# KiCad board AugioS.kicad_pcb

Outline 319.09 x 76.2 mm; copper layers: Top, Bottom. Coordinates in mm from the lower left corner of the outline.
Outline path: 0,73.82 0,2.38 arc(0.7,0.7) 2.38,0 316.71,0 arc(318.39,0.7) 319.09,2.38 319.09,73.82 arc(318.39,75.5) 316.71,76.2 2.38,76.2 arc(0.7,75.5) 0,73.82

## Placement (name value [footprint] x y rotation side)
D1  D_Small  [Diode-dual]  20.64 66.68 270 bottom
D2  D_Small  [Diode-dual]  55.56 66.68 270 bottom
D3  D_Small  [Diode-dual]  101.6 66.68 270 bottom
D4  D_Small  [Diode-dual]  139.7 66.68 270 bottom
D5  D_Small  [Diode-dual]  177.8 66.68 270 bottom
D6  D_Small  [Diode-dual]  215.9 66.68 270 bottom
D7  D_Small  [Diode-dual]  254 66.68 270 bottom
D8  D_Small  [Diode-dual]  296.86 66.68 270 bottom
D9  D_Small  [Diode-dual]  17.46 66.68 270 bottom
D10  D_Small  [Diode-dual]  39.69 66.68 270 bottom
D11  D_Small  [Diode-dual]  82.55 66.68 270 bottom
D12  D_Small  [Diode-dual]  120.65 66.68 270 bottom
D13  D_Small  [Diode-dual]  158.75 66.68 270 bottom
D14  D_Small  [Diode-dual]  196.85 66.68 270 bottom
D15  D_Small  [Diode-dual]  234.95 66.68 270 bottom
D16  D_Small  [Diode-dual]  273.05 66.68 270 bottom
D17  D_Small  [Diode-dual]  20.64 47.63 270 bottom
D18  D_Small  [Diode-dual]  55.56 47.63 270 bottom
D19  D_Small  [Diode-dual]  106.36 47.63 270 bottom
D20  D_Small  [Diode-dual]  144.46 47.63 270 bottom
D21  D_Small  [Diode-dual]  182.56 47.63 270 bottom
D22  D_Small  [Diode-dual]  220.66 47.63 270 bottom
D23  D_Small  [Diode-dual]  258.76 47.63 270 bottom
D24  D_Small  [Diode-dual]  299.24 47.63 270 bottom
D25  D_Small  [Diode-dual]  17.46 47.63 270 bottom
D26  D_Small  [Diode-dual]  39.69 47.63 270 bottom
D27  D_Small  [Diode-dual]  84.93 47.63 270 bottom
D28  D_Small  [Diode-dual]  125.41 47.63 270 bottom
D29  D_Small  [Diode-dual]  163.51 47.63 270 bottom
D30  D_Small  [Diode-dual]  201.61 47.63 270 bottom
D31  D_Small  [Diode-dual]  239.71 47.63 270 bottom
D32  D_Small  [Diode-dual]  277.81 47.63 270 bottom
D33  D_Small  [Diode-dual]  20.64 28.58 270 bottom
D34  D_Small  [Diode-dual]  58.74 28.58 270 bottom
D35  D_Small  [Diode-dual]  111.12 28.58 270 bottom
D36  D_Small  [Diode-dual]  149.22 28.58 270 bottom
D37  D_Small  [Diode-dual]  187.33 28.58 270 bottom
D38  D_Small  [Diode-dual]  225.43 28.58 270 bottom
D39  D_Small  [Diode-dual]  263.52 28.58 270 bottom
D40  D_Small  [Diode-dual]  301.62 28.58 270 bottom
D41  D_Small  [Diode-dual]  17.46 28.58 270 bottom
D42  D_Small  [Diode-dual]  39.69 28.58 270 bottom
D43  D_Small  [Diode-dual]  87.31 28.58 270 bottom
D44  D_Small  [Diode-dual]  130.18 28.58 270 bottom
D45  D_Small  [Diode-dual]  168.28 28.58 270 bottom
D46  D_Small  [Diode-dual]  206.38 28.58 270 bottom
D47  D_Small  [Diode-dual]  244.48 28.58 270 bottom
D48  D_Small  [Diode-dual]  282.57 28.58 270 bottom
D49  D_Small  [Diode-dual]  20.64 9.53 270 bottom
D50  D_Small  [Diode-dual]  58.74 9.53 270 bottom
D51  D_Small  [Diode-dual]  101.6 9.53 270 bottom
D52  D_Small  [Diode-dual]  139.7 9.53 270 bottom
D53  D_Small  [Diode-dual]  223.04 9.53 270 bottom
D54  D_Small  [Diode-dual]  263.52 9.53 270 bottom
D55  D_Small  [Diode-dual]  301.62 9.53 270 bottom
D56  D_Small  [Diode-dual]  17.46 9.53 270 bottom
D57  D_Small  [Diode-dual]  39.69 9.53 270 bottom
D58  D_Small  [Diode-dual]  82.55 9.53 270 bottom
D59  D_Small  [Diode-dual]  120.65 9.53 270 bottom
D60  D_Small  [Diode-dual]  161.13 9.53 270 bottom
D61  D_Small  [Diode-dual]  192.09 9.53 270 bottom
D62  D_Small  [Diode-dual]  244.48 9.53 270 bottom
D63  D_Small  [Diode-dual]  282.57 9.53 270 bottom
G***  -  [LOGO]  176.21 57.15 0 top
G***#2  -  [LOGO]  176.21 57.15 180 bottom
LOGO  -  [augie10]  234.16 57.94 0 top
LOGO#2  -  [augie10]  307.18 57.94 180 bottom
REF**  -  [MountingHole_3.2mm_M3]  300.04 57.15 0 top
REF**#2  -  [MountingHole_3.2mm_M3]  300.04 19.05 0 top
REF**#3  -  [MountingHole_3.2mm_M3]  223.84 19.05 0 top
REF**#4  -  [MountingHole_3.2mm_M3]  223.84 57.15 0 top
REF**#5  -  [MountingHole_3.2mm_M3]  19.05 19.05 0 top
REF**#6  -  [MountingHole_3.2mm_M3]  19.05 57.15 0 top
REF**#7  -  [MountingHole_3.2mm_M3]  95.25 57.15 0 top
REF**#8  -  [MountingHole_3.2mm_M3]  95.25 19.05 0 top
SW1  SWITCH_PUSH  [MX-1U-NoLED]  9.53 66.68 0 top
SW2  SWITCH_PUSH  [MX-1U-NoLED]  28.57 66.68 0 top
SW3  SWITCH_PUSH  [MX-1U-NoLED]  47.62 66.68 0 top
SW4  SWITCH_PUSH  [MX-1U-NoLED]  66.67 66.68 0 top
SW5  SWITCH_PUSH  [MX-1U-NoLED]  90.49 66.68 0 top
SW6  SWITCH_PUSH  [MX-1U-NoLED]  109.54 66.68 0 top
SW7  SWITCH_PUSH  [MX-1U-NoLED]  128.59 66.68 0 top
SW8  SWITCH_PUSH  [MX-1U-NoLED]  147.64 66.68 0 top
SW9  SWITCH_PUSH  [MX-1U-NoLED]  166.69 66.68 0 top
SW10  SWITCH_PUSH  [MX-1U-NoLED]  185.74 66.68 0 top
SW11  SWITCH_PUSH  [MX-1U-NoLED]  204.79 66.68 0 top
SW12  SWITCH_PUSH  [MX-1U-NoLED]  223.84 66.68 0 top
SW13  SWITCH_PUSH  [MX-1U-NoLED]  242.89 66.68 0 top
SW14  SWITCH_PUSH  [MX-1U-NoLED]  261.94 66.68 0 top
SW15  SWITCH_PUSH  [MX-1U-NoLED]  280.99 66.68 0 top
SW16  SWITCH_PUSH  [MX-1U-NoLED]  304.8 66.68 0 top
SW17  SWITCH_PUSH  [MX-1U-NoLED]  9.53 47.63 0 top
SW18  SWITCH_PUSH  [MX-1U-NoLED]  28.57 47.63 0 top
SW19  SWITCH_PUSH  [MX-1U-NoLED]  47.62 47.63 0 top
SW20  SWITCH_PUSH  [MX-1U-NoLED]  66.67 47.63 0 top
SW21  SWITCH_PUSH  [MX-1U-NoLED]  92.87 47.63 0 top
SW22  SWITCH_PUSH  [MX-1U-NoLED]  114.3 47.63 0 top
SW23  SWITCH_PUSH  [MX-1U-NoLED]  133.35 47.63 0 top
SW24  SWITCH_PUSH  [MX-1U-NoLED]  152.4 47.63 0 top
SW25  SWITCH_PUSH  [MX-1U-NoLED]  171.45 47.63 0 top
SW26  SWITCH_PUSH  [MX-1U-NoLED]  190.5 47.63 0 top
SW27  SWITCH_PUSH  [MX-1U-NoLED]  209.55 47.63 0 top
SW28  SWITCH_PUSH  [MX-1U-NoLED]  228.6 47.63 0 top
SW29  SWITCH_PUSH  [MX-1U-NoLED]  247.65 47.63 0 top
SW30  SWITCH_PUSH  [MX-1U-NoLED]  266.7 47.63 0 top
SW31  SWITCH_PUSH  [MX-1U-NoLED]  285.75 47.63 0 top
SW32  SWITCH_PUSH  [MX-1U-NoLED]  307.18 47.63 0 top
SW33  SWITCH_PUSH  [MX-1U-NoLED]  9.53 28.58 0 top
SW34  SWITCH_PUSH  [MX-1U-NoLED]  28.57 28.58 0 top
SW35  SWITCH_PUSH  [MX-1U-NoLED]  47.62 28.58 0 top
SW36  SWITCH_PUSH  [MX-1U-NoLED]  66.67 28.58 0 top
SW37  SWITCH_PUSH  [MX-1U-NoLED]  95.25 28.58 0 top
SW38  SWITCH_PUSH  [MX-1U-NoLED]  119.06 28.58 0 top
SW39  SWITCH_PUSH  [MX-1U-NoLED]  138.11 28.58 0 top
SW40  SWITCH_PUSH  [MX-1U-NoLED]  157.16 28.58 0 top
SW41  SWITCH_PUSH  [MX-1U-NoLED]  176.21 28.58 0 top
SW42  SWITCH_PUSH  [MX-1U-NoLED]  195.26 28.58 0 top
SW43  SWITCH_PUSH  [MX-1U-NoLED]  214.31 28.58 0 top
SW44  SWITCH_PUSH  [MX-1U-NoLED]  233.36 28.58 0 top
SW45  SWITCH_PUSH  [MX-1U-NoLED]  252.41 28.58 0 top
SW46  SWITCH_PUSH  [MX-1U-NoLED]  271.46 28.58 0 top
SW47  SWITCH_PUSH  [MX-1U-NoLED]  290.51 28.58 0 top
SW48  SWITCH_PUSH  [MX-1U-NoLED]  309.56 28.58 0 top
SW49  SWITCH_PUSH  [MX-1U-NoLED]  9.53 9.53 0 top
SW50  SWITCH_PUSH  [MX-1U-NoLED]  28.57 9.53 0 top
SW51  SWITCH_PUSH  [MX-1U-NoLED]  47.62 9.53 0 top
SW52  SWITCH_PUSH  [MX-1U-NoLED]  66.67 9.53 0 top
SW53  SWITCH_PUSH  [MX-1U-NoLED]  90.49 9.53 0 top
SW54  SWITCH_PUSH  [MX-1U-NoLED]  109.54 9.53 0 top
SW55  SWITCH_PUSH  [MX-1U-NoLED]  128.59 9.53 0 top
SW56  SWITCH_PUSH  [MX-1U-NoLED]  147.64 9.53 0 top
SW57  SWITCH_PUSH  [MX-1U-NoLED]  169.07 9.53 0 top
SW58  SWITCH_PUSH  [MX-2U-ReversedStabilizers-NoLED]  200.03 9.53 0 top
SW59  SWITCH_PUSH  [MX-1U-NoLED]  230.98 9.53 0 top
SW60  SWITCH_PUSH  [MX-1U-NoLED]  252.41 9.53 0 top
SW61  SWITCH_PUSH  [MX-1U-NoLED]  271.46 9.53 0 top
SW62  SWITCH_PUSH  [MX-1U-NoLED]  290.51 9.53 0 top
SW63  SWITCH_PUSH  [MX-1U-NoLED]  309.56 9.53 0 top
U1  -  [ARDUINO_PRO_MICRO]  66.67 59.53 270 top

## Footprints (pads in the part's own frame, mm; a bottom-side part is the same pattern mirrored in y, then rotated)
ARDUINO_PRO_MICRO
  rect 1.753x1.753 hole 1.092: 1(-13.97,-7.62)
  round 1.753 hole 1.092: 2(-11.43,-7.62) 3(-8.89,-7.62) 4(-6.35,-7.62) 5(-3.81,-7.62) 6(-1.27,-7.62) 7(1.27,-7.62) 8(3.81,-7.62) 9(6.35,-7.62) 10(8.89,-7.62) 11(11.43,-7.62) 12(13.97,-7.62) 13(13.97,7.62) 14(11.43,7.62) 15(8.89,7.62) 16(6.35,7.62) 17(3.81,7.62) 18(1.27,7.62) 19(-1.27,7.62) 20(-3.81,7.62) 21(-6.35,7.62) 22(-8.89,7.62) 23(-11.43,7.62) 24(-13.97,7.62)
Diode-dual
  rect 1.6x1.2 smd far side: 1(1.4,0) 2(-1.4,0)
  rect 1.6x1.2 smd: 1(1.4,0) 2(-1.4,0)
  rect 2.9x0.5 smd far side: 1(2.5,0) 2(-2.5,0)
  rect 2.9x0.5 smd: 1(2.5,0) 2(-2.5,0)
  rect 1.6x1.6 hole 1: 1(3.9,0)
  round 1.6 hole 1: 2(-3.9,0)
MountingHole_3.2mm_M3
  round 3.2 hole 3.2 unplated: (0,0)
MX-1U-NoLED
  round 1.75 hole 1.75 unplated: (-5.08,0) (5.08,0)
  round 3.988 hole 3.988 unplated: (0,0)
  oval 4.212x2.25 hole 1.47 rot 48.1: 1(-3.81,2.54)
  round 2.25 hole 1.47: 1(-2.5,4) 2(2.54,5.08)
  oval 2.831x2.25 hole 1.47 rot 86.1: 2(2.5,4.5)
MX-2U-ReversedStabilizers-NoLED
  round 3.988 hole 3.988 unplated: (-11.938,8.255) (0,0) (11.938,8.255)
  round 3.048 hole 3.048 unplated: (-11.938,-6.985) (11.938,-6.985)
  round 1.75 hole 1.75 unplated: (-5.08,0) (5.08,0)
  oval 4.212x2.25 hole 1.47 rot 48.1: 1(-3.81,2.54)
  round 2.25 hole 1.47: 1(-2.5,4) 2(2.54,5.08)
  oval 2.831x2.25 hole 1.47 rot 86.1: 2(2.5,4.5)

## Nets
GND: U1.3 U1.4 U1.23
VCC: U1.21
COL0: SW1.2 SW2.2 SW17.2 SW18.2 SW33.2 SW34.2 SW49.2 SW50.2 U1.12
COL1: SW3.2 SW4.2 SW19.2 SW20.2 SW35.2 SW36.2 SW51.2 SW52.2 U1.11
COL2: SW5.2 SW6.2 SW21.2 SW22.2 SW37.2 SW38.2 SW53.2 SW54.2 U1.10
COL3: SW7.2 SW8.2 SW23.2 SW24.2 SW39.2 SW40.2 SW55.2 SW56.2 U1.9
COL4: SW9.2 SW10.2 SW25.2 SW26.2 SW41.2 SW42.2 SW57.2 U1.8
COL5: SW11.2 SW12.2 SW27.2 SW28.2 SW43.2 SW44.2 SW58.2 SW59.2 U1.7
COL6: SW13.2 SW14.2 SW29.2 SW30.2 SW45.2 SW46.2 SW60.2 SW61.2 U1.6
COL7: SW15.2 SW16.2 SW31.2 SW32.2 SW47.2 SW48.2 SW62.2 SW63.2 U1.5
ROW0: D1.1 D2.1 D3.1 D4.1 D5.1 D6.1 D7.1 D8.1 U1.20
ROW1: D9.1 D10.1 D11.1 D12.1 D13.1 D14.1 D15.1 D16.1 U1.19
ROW2: D17.1 D18.1 D19.1 D20.1 D21.1 D22.1 D23.1 D24.1 U1.18
ROW3: D25.1 D26.1 D27.1 D28.1 D29.1 D30.1 D31.1 D32.1 U1.17
ROW4: D33.1 D34.1 D35.1 D36.1 D37.1 D38.1 D39.1 D40.1 U1.16
ROW5: D41.1 D42.1 D43.1 D44.1 D45.1 D46.1 D47.1 D48.1 U1.15
ROW6: D49.1 D50.1 D51.1 D52.1 D53.1 D54.1 D55.1 U1.14
ROW7: D56.1 D57.1 D58.1 D59.1 D60.1 D61.1 D62.1 D63.1 U1.13
Net-(D1-Pad2): D1.2 SW2.1
Net-(D2-Pad2): D2.2 SW4.1
Net-(D3-Pad2): D3.2 SW6.1
Net-(D4-Pad2): D4.2 SW8.1
Net-(D5-Pad2): D5.2 SW10.1
Net-(D6-Pad2): D6.2 SW12.1
Net-(D7-Pad2): D7.2 SW14.1
Net-(D8-Pad2): D8.2 SW16.1
Net-(D9-Pad2): D9.2 SW1.1
Net-(D10-Pad2): D10.2 SW3.1
Net-(D11-Pad2): D11.2 SW5.1
Net-(D12-Pad2): D12.2 SW7.1
Net-(D13-Pad2): D13.2 SW9.1
Net-(D14-Pad2): D14.2 SW11.1
Net-(D15-Pad2): D15.2 SW13.1
Net-(D16-Pad2): D16.2 SW15.1
Net-(D17-Pad2): D17.2 SW18.1
Net-(D18-Pad2): D18.2 SW20.1
Net-(D19-Pad2): D19.2 SW22.1
Net-(D20-Pad2): D20.2 SW24.1
Net-(D21-Pad2): D21.2 SW26.1
Net-(D22-Pad2): D22.2 SW28.1
Net-(D23-Pad2): D23.2 SW30.1
Net-(D24-Pad2): D24.2 SW32.1
Net-(D25-Pad2): D25.2 SW17.1
Net-(D26-Pad2): D26.2 SW19.1
Net-(D27-Pad2): D27.2 SW21.1
Net-(D28-Pad2): D28.2 SW23.1
Net-(D29-Pad2): D29.2 SW25.1
Net-(D30-Pad2): D30.2 SW27.1
Net-(D31-Pad2): D31.2 SW29.1
Net-(D32-Pad2): D32.2 SW31.1
Net-(D33-Pad2): D33.2 SW34.1
Net-(D34-Pad2): D34.2 SW36.1
Net-(D35-Pad2): D35.2 SW38.1
Net-(D36-Pad2): D36.2 SW40.1
Net-(D37-Pad2): D37.2 SW42.1
Net-(D38-Pad2): D38.2 SW44.1
Net-(D39-Pad2): D39.2 SW46.1
Net-(D40-Pad2): D40.2 SW48.1
Net-(D41-Pad2): D41.2 SW33.1
Net-(D42-Pad2): D42.2 SW35.1
Net-(D43-Pad2): D43.2 SW37.1
Net-(D44-Pad2): D44.2 SW39.1
Net-(D45-Pad2): D45.2 SW41.1
Net-(D46-Pad2): D46.2 SW43.1
Net-(D47-Pad2): D47.2 SW45.1
Net-(D48-Pad2): D48.2 SW47.1
Net-(D49-Pad2): D49.2 SW50.1
Net-(D50-Pad2): D50.2 SW52.1
Net-(D51-Pad2): D51.2 SW54.1
Net-(D52-Pad2): D52.2 SW56.1
Net-(D53-Pad2): D53.2 SW59.1
Net-(D54-Pad2): D54.2 SW61.1
Net-(D55-Pad2): D55.2 SW63.1
Net-(D56-Pad2): D56.2 SW49.1
Net-(D57-Pad2): D57.2 SW51.1
Net-(D58-Pad2): D58.2 SW53.1
Net-(D59-Pad2): D59.2 SW55.1
Net-(D60-Pad2): D60.2 SW57.1
Net-(D61-Pad2): D61.2 SW58.1
Net-(D62-Pad2): D62.2 SW60.1
Net-(D63-Pad2): D63.2 SW62.1
Net-(U1-Pad1): U1.1
Net-(U1-Pad2): U1.2
Net-(U1-Pad22): U1.22
Net-(U1-Pad24): U1.24

## Via types
v1: diameter 0.8, hole 0.4, Top to Bottom, 44 vias

## Routing (per net, layer and track width the routed paths; a pad name or vN(x,y) marks a point on that pad's centre or on a via; arc(x,y) is an arc through that point)
COL0: length 171.3
  Top w0.254: SW49.2 12.07,33.04 SW33.2 12.07,33.12 12.07,52.09 SW17.2 12.07,52.17 12.07,71.14 SW1.2 ; SW34.2 31.12,14.06 SW50.2 ; SW34.2 31.12,33.12 SW18.2 ; U1.12 57.85,46.76 57.85,50.89 v1(53.98,54.77) ; SW18.2 31.12,52.17 31.12,71.14 SW2.2
  Bottom w0.254: SW18.2 33.18,54.77 v1(53.98,54.77) ; SW2.2 28.43,73.82 14.67,73.82 SW1.2
COL1: length 146.3
  Top w0.254: SW3.2 50.16,71.14 50.16,52.17 SW19.2 50.16,52.09 50.16,36.67 ; SW52.2 69.22,14.06 69.22,33.04 SW36.2 69.22,33.12 v1(69.22,45.4) 69.22,52.09 SW20.2 69.22,52.17 69.22,71.14 SW4.2 ; 50.16,36.67 50.16,33.12 SW35.2 50.16,33.04 50.16,14.06 SW51.2 ; 50.16,36.67 50.16,36.58
  Bottom w0.254: v1(69.22,45.4) 69.12,45.3 61.85,45.3 U1.11 ; SW52.2 67.95,15.88 51.98,15.88 SW51.2
COL2: length 187.8
  Top w0.254: SW37.2 95.37,36.08 SW21.2 ; 112.08,71.14 SW6.2 112.04,57.51 SW22.2 ; SW54.2 121.6,23.59 121.6,33.04 SW38.2 121.56,33.7 116.8,38.46 SW22.2 ; SW21.2 92.99,55.13 SW5.2 ; SW53.2 95.78,14.03 99.22,17.46 99.22,27.91 97.75,29.38 SW37.2
  Bottom w0.254: SW21.2 93.03,52.71 92.08,53.66 83.03,53.66 81.21,51.84 73.72,51.84 71.88,50.01 65.62,50.01 64.03,48.42 62.58,48.42 62.17,48.83 60.87,48.83 U1.10 ; SW5.2 94.84,73.03 110.19,73.03 SW6.2
COL3: length 227
  Top w0.254: SW7.2 131.09,57.51 v1(132.79,55.8) SW23.2 ; SW55.2 131.09,14.56 140.61,24.09 SW39.2 140.61,33.7 ; SW40.2 159.7,27.68 150.14,18.12 SW56.2 ; SW23.2 135.85,38.46 SW39.2 ; SW40.2 159.66,47.98 155.52,52.13 SW24.2 154.9,67.03 150.76,71.18 SW8.2
  Bottom w0.254: v1(132.79,55.8) 131.38,54.38 65.97,54.38 64.77,53.18 U1.9 ; SW8.2 147.49,73.82 133.73,73.82 SW7.2
COL4: length 237.8
  Top w0.254: SW10.2 188.24,57.51 193,52.75 SW26.2 193,38.46 SW42.2 ; SW25.2 173.95,38.46 SW41.2 ; SW9.2 v1(169.19,58.62) 169.19,57.51 SW25.2 ; SW57.2 178.53,20.99 178.53,28.51 178.71,28.69 SW41.2
  Bottom w0.254: U1.8 60.29,55.72 61.5,56.92 88.33,56.92 90.42,54.84 100.88,54.84 104.77,58.74 169.07,58.74 v1(169.19,58.62) ; SW9.2 170.35,72.88 186.53,72.88 SW10.2
COL5: length 326.4
  Top w0.254: U1.7 60.33,56.99 v1(60.33,41.14) ; SW58.2 214.75,26.25 215.43,26.25 216.81,27.64 SW43.2 v1(216.81,40.6) 216.81,47.98 212.67,52.13 SW27.2 212.05,67.03 SW11.2 ; SW59.2 235.68,16.23 235.68,32.9 SW44.2 235.86,33.7 231.1,38.46 SW28.2 231.1,67.03 SW12.2
  Bottom w0.254: SW12.2 224.63,72.88 208.99,72.88 SW11.2 ; v1(216.81,40.6) 216.27,41.14 v1(60.33,41.14) ; 216.81,33.7 SW43.2
COL6: length 353.1
  Top w0.254: U1.6 61.02,58.84 61.02,48.83 62.17,48.83 64.29,46.71 v1(64.29,40.42) ; SW60.2 254.95,14.06 254.95,33.04 SW45.2 254.91,33.7 250.15,38.46 v1(250.15,40.6) SW29.2 250.15,52.75 245.39,57.51 SW13.2 245.43,71.14 ; SW46.2 273.96,47.98 269.82,52.13 SW30.2 ; SW46.2 273.96,33.7 ; SW46.2 274,33.04 274,14.06 SW61.2 ; SW14.2 264.48,71.14 264.48,57.47 SW30.2
  Bottom w0.254: v1(64.29,40.42) 215.17,40.42 215.71,39.87 219.26,39.87 220.66,41.28 249.48,41.28 v1(250.15,40.6) ; SW14.2 262.73,72.88 246.55,72.88 SW13.2
COL7: length 373
  Top w0.254: SW62.2 293.05,14.06 293.05,33.04 SW47.2 ; SW48.2 309.68,36.08 SW32.2 309.68,52.75 307.3,55.13 SW16.2 ; 283.53,71.14 SW15.2 283.49,57.51 v1(284,56.99) SW31.2 ; SW63.2 312.1,14.06 312.1,33.04 SW48.2 ; SW31.2 288.25,38.46 SW47.2 ; v1(80.17,61.91) v1(80.17,59.35)
  Bottom w0.254: v1(80.17,61.91) 79.94,62.14 73.72,62.14 73.39,62.46 59.93,62.46 U1.5 ; v1(284,56.99) 281.65,59.35 v1(80.17,59.35) ; SW16.2 305.6,72.88 285.19,72.88 SW15.2
ROW0: length 294.1
  Top w0.254: U1.20 76.2,61.44 v1(76.2,60.07) ; v1(139.7,60.92) D4.1 ; v1(101.6,60.92) D3.1 ; D1.1 v1(20.64,60.92) ; v1(254,60.92) D7.1 ; v1(55.56,60.65) D2.1 ; v1(177.8,60.92) D5.1 ; v1(215.9,60.92) D6.1
  Bottom w0.254: v1(20.64,60.92) 55.29,60.92 v1(55.56,60.65) ; D8.1 295.81,62.78 293.95,60.92 v1(254,60.92) v1(215.9,60.92) v1(177.8,60.92) v1(139.7,60.92) v1(101.6,60.92) 100.75,60.07 v1(76.2,60.07) ; D2.1 56.62,62.78 58.39,64.54 65.37,64.54 66.57,63.34 U1.20
ROW1: length 264
  Bottom w0.254: D16.1 272,62.78 270.87,61.65 237.13,61.65 236,62.78 D15.1 233.9,62.78 232.77,61.65 199.03,61.65 197.9,62.78 D14.1 195.8,62.78 194.67,61.65 160.93,61.65 159.8,62.78 D13.1 157.7,62.78 156.57,61.65 122.83,61.65 121.7,62.78 D12.1 119.6,62.78 118.47,61.65 84.73,61.65 83.6,62.78 D11.1 82.55,61.72 81.63,60.8 U1.19 73.09,62 58.48,62 57.85,61.38 42.14,61.38 40.74,62.78 D10.1 38.63,62.78 37.51,61.65 19.64,61.65 18.52,62.78 D9.1
ROW2: length 319.8
  Top w0.254: D17.1 v1(20.64,41.87) ; D21.1 182.56,42.07 v1(182.76,41.87) ; v1(106.16,41.87) 106.36,42.07 D19.1 ; v1(55.56,41.87) D18.1 ; D22.1 220.66,42.67 219.86,41.87 v1(218.28,41.87) ; D20.1 144.46,42.66 v1(143.67,41.87) ; v1(82.35,41.87) 82.35,57.35 v1(81.76,57.94) ; D23.1 v1(258.76,41.6)
  Bottom w0.254: v1(81.76,57.94) 81.44,58.26 U1.18 ; v1(20.64,41.87) v1(55.56,41.87) v1(82.35,41.87) v1(106.16,41.87) v1(182.76,41.87) v1(218.28,41.87) 249.52,41.87 249.79,41.6 v1(258.76,41.6) 259.33,41.6 259.6,41.87 298.44,41.87 299.24,42.67 D24.1
ROW3: length 291.9
  Top w0.254: v1(86.52,55.56) 86.52,45.31 D27.1
  Bottom w0.254: U1.17 86.36,55.72 v1(86.52,55.56) ; D32.1 276.76,43.73 275.36,42.33 242.17,42.33 240.77,43.73 D31.1 238.66,43.73 237.53,42.6 203.79,42.6 202.67,43.73 D30.1 200.56,43.73 199.43,42.6 165.69,42.6 164.57,43.73 D29.1 162.46,43.73 161.33,42.6 127.59,42.6 126.47,43.73 D28.1 121.98,43.73 120.85,42.6 87.11,42.6 85.99,43.73 D27.1 83.88,43.73 82.75,42.6 41.87,42.6 40.74,43.73 D26.1 38.63,43.73 37.51,42.6 19.64,42.6 18.52,43.73 D25.1
ROW4: length 337.4
  Top w0.254: v1(58.74,22.82) D34.1 ; v1(187.33,22.82) D37.1 ; U1.16 73.09,51.98 73.09,27.05 v1(70.64,24.61) ; v1(111.12,22.82) D35.1 ; v1(263.52,22.82) D39.1 ; v1(149.22,22.82) D36.1 ; v1(225.43,22.82) D38.1 ; D33.1 v1(20.64,22.82)
  Bottom w0.254: v1(20.64,22.82) v1(58.74,22.82) v1(111.12,22.82) v1(149.22,22.82) v1(187.33,22.82) v1(225.43,22.82) v1(263.52,22.82) 300.82,22.82 301.62,23.62 D40.1 ; D34.1 58.81,24.61 v1(70.64,24.61)
ROW5: length 303
  Top w0.254: D43.1 87.31,25.73 75.95,37.09 75.95,48.98 U1.15
  Bottom w0.254: D48.1 281.52,24.68 280.39,23.55 246.66,23.55 245.53,24.68 D47.1 243.42,24.68 242.29,23.55 208.56,23.55 207.43,24.68 D46.1 205.32,24.68 204.19,23.55 170.46,23.55 169.33,24.68 D45.1 167.22,24.68 166.09,23.55 132.36,23.55 131.23,24.68 D44.1 129.12,24.68 127.99,23.55 89.49,23.55 88.37,24.68 D43.1 86.26,24.68 85.13,23.55 41.87,23.55 40.74,24.68 D42.1 38.63,24.68 37.51,23.55 19.64,23.55 18.52,24.68 D41.1
ROW6: length 349.2
  Top w0.254: v1(263.52,3.77) D54.1 ; v1(75.41,15.08) 75.5,15.17 75.5,46.9 U1.14 ; D49.1 v1(20.64,3.77) ; v1(139.7,3.77) D52.1 ; v1(223.04,3.66) D53.1 ; v1(101.6,3.77) D51.1 ; v1(58.74,3.77) D50.1
  Bottom w0.254: D55.1 301.62,4.57 300.82,3.77 v1(263.52,3.77) 263.42,3.66 v1(223.04,3.66) 219.64,3.66 218.81,4.5 194.2,4.5 193.68,3.97 190.5,3.97 189.71,4.76 163.11,4.76 162.12,3.77 v1(139.7,3.77) v1(101.6,3.77) v1(58.74,3.77) v1(20.64,3.77) ; D50.1 66.21,5.62 69,8.41 69,8.67 v1(75.41,15.08)
ROW7: length 315
  Top w0.254: U1.13 74.3,14.78 80.95,8.12 D58.1
  Bottom w0.254: 243.42,5.62 D62.1 245.53,5.62 246.66,4.5 280.39,4.5 281.52,5.62 D63.1 ; 243.42,5.62 242.19,4.39 ; 243.42,5.62 242.19,4.39 ; 242.19,4.39 221.03,4.39 219.87,5.56 201.61,5.56 201.54,5.62 D61.1 D60.1 161.13,4.57 161.06,4.5 122.83,4.5 121.7,5.62 D59.1 119.6,5.62 118.47,4.5 84.73,4.5 83.6,5.62 D58.1 81.5,5.62 80.37,4.5 41.87,4.5 40.74,5.62 D57.1 38.63,5.62 37.51,4.5 19.64,4.5 18.52,5.62 D56.1
Net-(D1-Pad2): length 5.5
  Bottom w0.254: D1.2 25.98,70.58 SW2.1
Net-(D2-Pad2): length 7.9
  Bottom w0.254: D2.2 56.38,69.76 62.32,69.76 SW4.1
Net-(D3-Pad2): length 5.5
  Bottom w0.254: SW6.1 106.94,70.58 D3.2
Net-(D4-Pad2): length 5.5
  Bottom w0.254: SW8.1 145.04,70.58 D4.2
Net-(D5-Pad2): length 5.5
  Bottom w0.254: D5.2 183.14,70.58 SW10.1
Net-(D6-Pad2): length 5.5
  Bottom w0.254: D6.2 221.24,70.58 SW12.1
Net-(D7-Pad2): length 5.5
  Bottom w0.254: D7.2 259.34,70.58 SW14.1
Net-(D8-Pad2): length 5.5
  Bottom w0.254: SW16.1 302.2,70.58 D8.2
Net-(D9-Pad2): length 11.8
  Bottom w0.254: SW1.1 5.75,69.18 D9.2
Net-(D10-Pad2): length 5.5
  Bottom w0.254: D10.2 45.03,70.58 SW3.1
Net-(D11-Pad2): length 5.5
  Bottom w0.254: SW5.1 87.89,70.58 D11.2
Net-(D12-Pad2): length 5.5
  Bottom w0.254: SW7.1 125.99,70.58 D12.2
Net-(D13-Pad2): length 5.5
  Bottom w0.254: SW9.1 164.09,70.58 D13.2
Net-(D14-Pad2): length 5.5
  Bottom w0.254: SW11.1 202.19,70.58 D14.2
Net-(D15-Pad2): length 5.5
  Bottom w0.254: D15.2 240.29,70.58 SW13.1
Net-(D16-Pad2): length 5.5
  Bottom w0.254: SW15.1 278.39,70.58 D16.2
Net-(D17-Pad2): length 5.5
  Bottom w0.254: D17.2 25.98,51.53 SW18.1
Net-(D18-Pad2): length 9.8
  Bottom w0.254: SW20.1 61.05,51.98 58.48,51.98 58.02,51.53 D18.2 ; 62.58,51.63 SW20.1
Net-(D19-Pad2): length 5.5
  Bottom w0.254: D19.2 111.7,51.53 SW22.1
Net-(D20-Pad2): length 5.5
  Bottom w0.254: D20.2 149.8,51.53 SW24.1
Net-(D21-Pad2): length 5.5
  Bottom w0.254: SW26.1 187.9,51.53 D21.2
Net-(D22-Pad2): length 5.5
  Bottom w0.254: SW28.1 226,51.53 D22.2
Net-(D23-Pad2): length 5.5
  Bottom w0.254: D23.2 264.1,51.53 SW30.1
Net-(D24-Pad2): length 5.5
  Bottom w0.254: D24.2 304.58,51.53 SW32.1
Net-(D25-Pad2): length 11.8
  Bottom w0.254: SW17.1 5.75,50.13 D25.2
Net-(D26-Pad2): length 5.5
  Bottom w0.254: D26.2 45.03,51.53 SW19.1
Net-(D27-Pad2): length 5.5
  Bottom w0.254: SW21.1 90.27,51.53 D27.2
Net-(D28-Pad2): length 5.5
  Bottom w0.254: D28.2 130.75,51.53 SW23.1
Net-(D29-Pad2): length 5.5
  Bottom w0.254: SW25.1 168.85,51.53 D29.2
Net-(D30-Pad2): length 5.5
  Bottom w0.254: SW27.1 206.95,51.53 D30.2
Net-(D31-Pad2): length 5.5
  Bottom w0.254: D31.2 245.05,51.53 SW29.1
Net-(D32-Pad2): length 5.5
  Bottom w0.254: D32.2 283.15,51.53 SW31.1
Net-(D33-Pad2): length 5.5
  Bottom w0.254: D33.2 25.98,32.48 SW34.1
Net-(D34-Pad2): length 5.5
  Bottom w0.254: D34.2 64.08,32.48 SW36.1
Net-(D35-Pad2): length 5.5
  Bottom w0.254: D35.2 116.46,32.48 SW38.1
Net-(D36-Pad2): length 5.5
  Bottom w0.254: SW40.1 154.56,32.48 D36.2
Net-(D37-Pad2): length 5.5
  Bottom w0.254: SW42.1 192.66,32.48 D37.2
Net-(D38-Pad2): length 5.5
  Bottom w0.254: D38.2 230.76,32.48 SW44.1
Net-(D39-Pad2): length 5.5
  Bottom w0.254: SW46.1 268.86,32.48 D39.2
Net-(D40-Pad2): length 5.5
  Bottom w0.254: SW48.1 306.96,32.48 D40.2
Net-(D41-Pad2): length 11.8
  Bottom w0.254: D41.2 5.75,31.08 SW33.1
Net-(D42-Pad2): length 5.5
  Bottom w0.254: D42.2 45.03,32.48 SW35.1
Net-(D43-Pad2): length 5.5
  Bottom w0.254: SW37.1 92.65,32.48 D43.2
Net-(D44-Pad2): length 5.5
  Bottom w0.254: SW39.1 135.51,32.48 D44.2
Net-(D45-Pad2): length 5.5
  Bottom w0.254: SW41.1 173.61,32.48 D45.2
Net-(D46-Pad2): length 5.5
  Bottom w0.254: SW43.1 211.71,32.48 D46.2
Net-(D47-Pad2): length 5.5
  Bottom w0.254: D47.2 249.81,32.48 SW45.1
Net-(D48-Pad2): length 5.5
  Bottom w0.254: SW47.1 287.91,32.48 D48.2
Net-(D49-Pad2): length 5.5
  Bottom w0.254: SW50.1 25.98,13.43 D49.2
Net-(D50-Pad2): length 5.5
  Bottom w0.254: SW52.1 64.08,13.43 D50.2
Net-(D51-Pad2): length 5.5
  Bottom w0.254: SW54.1 106.94,13.43 D51.2
Net-(D52-Pad2): length 5.5
  Bottom w0.254: SW56.1 145.04,13.43 D52.2
Net-(D53-Pad2): length 5.5
  Bottom w0.254: SW59.1 228.38,13.43 D53.2
Net-(D54-Pad2): length 5.5
  Bottom w0.254: D54.2 268.86,13.43 SW61.1
Net-(D55-Pad2): length 5.5
  Bottom w0.254: D55.2 306.96,13.43 SW63.1
Net-(D56-Pad2): length 11.8
  Bottom w0.254: SW49.1 5.75,12.03 D56.2
Net-(D57-Pad2): length 5.5
  Bottom w0.254: D57.2 45.03,13.43 SW51.1
Net-(D58-Pad2): length 5.5
  Bottom w0.254: D58.2 87.89,13.43 SW53.1
Net-(D59-Pad2): length 5.5
  Bottom w0.254: D59.2 125.99,13.43 SW55.1
Net-(D60-Pad2): length 5.5
  Bottom w0.254: D60.2 166.47,13.43 SW57.1
Net-(D61-Pad2): length 5.5
  Bottom w0.254: SW58.1 197.43,13.43 D61.2
Net-(D62-Pad2): length 5.5
  Bottom w0.254: D62.2 249.81,13.43 SW60.1
Net-(D63-Pad2): length 5.5
  Bottom w0.254: SW62.1 287.91,13.43 D63.2

## Copper pours and planes (outline as drawn; the poured copper is in the pictures)
GND on Top: 318.29,75.41 318.29,0.79 0.79,0.79 0.79,75.41
GND on Bottom: 318.29,75.41 318.29,0.79 0.79,0.79 0.79,75.41
